# Allegro board 038RT-9068CJK8E-A100_0921.brd (continued)
## Placement (name value [footprint] x y rotation side) (continued)
LDB1  LDG-2-S8  [LED_0805]  347.46 18.6 0 top
LDB2  LDG-2-S8  [LED_0805]  339.44 18.61 0 top
LDB3  LDG-2-S8  [LED_0805]  647.33 23.22 0 top
LDB4  LDG-2-S8  [LED_0805]  338.95 30.07 0 top
LDB5  LDG-2-S8  [LED_0805]  338.95 39.37 0 top
LDB6  LDG-2-S8  [LED_0805]  339.58 48.9 180 top
LDOB2  1117-1A-18-SOT223  [SOT223]  53.2 407.03 0 top
LH11  L2.2U-1.15A-S2.0X1.6-TDK  [IND_VL252012E]  211.24 36.83 0 bottom
LH21  L2.2U-1.15A-S2.0X1.6-TDK  [IND_VL252012E]  273.25 36.83 0 bottom
LOGO1  LOGO_RT_Realtek  [LOGO_RT_REALTEK]  337.68 393.7 0 top
LOGO2  -  [LOGO_KT_KSMT]  132.17 95.13 0 top
LRB1  330-1-S6  [R0603]  350.1 17.75 90 top
LRB2  330-1-S6  [R0603]  342.08 17.75 90 top
LRB3  1K-1-S6  [R0603]  646.4 20.96 180 top
LRB4  2K-1-S6  [R0603]  341.61 29.13 270 top
LRB5  1.5K-1-S6  [R0603]  341.62 38.55 270 top
LRB6  1.5K-1-S6  [R0603]  337.04 48.26 270 top
LX1  L1U-3.3A-S2.5X2-TY  [IND_VL252012E]  119.59 37.11 90 top
MOS1  CSD19537Q3-VSON8  [TRANS_VSON8_3P3X3P3_0P65MM]  20.96 387.86 180 top
MQS1  MQS-9X2-MR  [CONN_19635391_18P_90]  6.8 105.03 270 bottom
MUX1  MUX36D04IRUMR-WQFN16  [WQFN4X4_16P_0P65MM_EP_TI]  338.65 275.66 270 bottom
MUX2  MUX36D04IRUMR-WQFN16  [WQFN4X4_16P_0P65MM_EP_TI]  326.89 195.65 270 bottom
MUX3  MUX36D04IRUMR-WQFN16  [WQFN4X4_16P_0P65MM_EP_TI]  327.27 275.66 270 bottom
MUX4  MUX36D04IRUMR-WQFN16  [WQFN4X4_16P_0P65MM_EP_TI]  327.22 241.37 270 bottom
MUX5  MUX36D04IRUMR-WQFN16  [WQFN4X4_16P_0P65MM_EP_TI]  326.89 207.08 270 bottom
MUX6  MUX36D04IRUMR-WQFN16  [WQFN4X4_16P_0P65MM_EP_TI]  338.65 207.08 270 bottom
MUX7  MUX36D04IRUMR-WQFN16  [WQFN4X4_16P_0P65MM_EP_TI]  338.65 241.37 270 bottom
MUX8  MUX36D04IRUMR-WQFN16  [WQFN4X4_16P_0P65MM_EP_TI]  327.22 252.8 270 bottom
MUX9  MUX36D04IRUMR-WQFN16  [WQFN4X4_16P_0P65MM_EP_TI]  338.65 195.65 270 bottom
MUX10  MUX36D04IRUMR-WQFN16  [WQFN4X4_16P_0P65MM_EP_TI]  338.65 252.8 270 bottom
MUX11  MUX36D04IRUMR-WQFN16  [WQFN4X4_16P_0P65MM_EP_TI]  327.22 264.23 270 bottom
MUX12  MUX36D04IRUMR-WQFN16  [WQFN4X4_16P_0P65MM_EP_TI]  338.65 264.23 270 bottom
MUX13  MUX36D04IRUMR-WQFN16  [WQFN4X4_16P_0P65MM_EP_TI]  338.65 229.94 270 bottom
MUX14  MUX36D04IRUMR-WQFN16  [WQFN4X4_16P_0P65MM_EP_TI]  338.65 218.51 270 bottom
MUX15  MUX36D04IRUMR-WQFN16  [WQFN4X4_16P_0P65MM_EP_TI]  326.89 218.51 270 bottom
MUX16  MUX36D04IRUMR-WQFN16  [WQFN4X4_16P_0P65MM_EP_TI]  326.89 229.94 270 bottom
NOREF  -  []  285.27 283.88 0 top
NOREF#2  -  []  89.77 263.43 90 top
NOREF#3  -  []  347.95 27.05 90 top
NOREF#4  -  []  286.9 260.59 90 top
NOREF#5  -  []  609.98 275.17 0 top
NOREF#6  -  []  601.61 201.81 0 top
NOREF#7  -  []  595.17 269.03 90 top
NOREF#8  -  []  34.34 277.77 90 top
NOREF#9  -  []  373.74 23.16 90 top
NOREF#10  -  []  337.67 205.1 0 top
NOREF#11  -  []  603.6 202.2 90 top
NOREF#12  -  []  57.44 377.37 0 top
NOREF#13  -  []  600.37 265.42 0 top
NOREF#14  -  []  290.07 269.42 0 top
NOREF#15  -  []  284.11 205.03 0 top
NOREF#16  -  []  278.87 209.42 0 top
NOREF#17  -  []  57.84 276.06 0 top
NOREF#18  -  []  514.56 28.57 90 top
NOREF#19  -  []  410.47 260.2 90 top
NOREF#20  -  []  230 210.11 0 top
NOREF#21  -  []  416.49 39.2 90 top
NOREF#22  -  []  593.59 209.81 0 top
NOREF#23  -  []  606.33 181.7 0 top
NOREF#24  -  []  282.91 279.15 90 top
NOREF#25  -  []  280.89 259.43 0 top
NOREF#26  -  []  617.08 309.63 90 top
NOREF#27  -  []  85.47 289.46 90 top
NOREF#28  -  []  572.1 204.29 90 top
NOREF#29  -  []  285.82 223.21 90 top
NOREF#30  -  []  404.47 205.42 0 top
NOREF#31  -  []  405.67 258.65 90 top
NOREF#32  -  []  622.83 225.14 0 top
NOREF#33  -  []  514.03 228.77 90 top
NOREF#34  -  []  52.64 371.17 90 top
NOREF#35  -  []  82.91 137.16 90 top
NOREF#36  -  []  360.57 213.99 90 top
NOREF#37  -  []  529.06 46.5 0 top
NOREF#38  -  []  436.51 218.61 0 top
NOREF#39  -  []  326.24 250.82 0 top
NOREF#40  -  []  402.47 211.43 90 top
NOREF#41  -  []  422.18 96.61 90 top
NOREF#42  -  []  52.64 368.97 90 top
NOREF#43  -  []  400.07 269.03 90 top
NOREF#44  -  []  125.08 312.42 90 top
NOREF#45  -  []  610.95 239.12 90 top
NOREF#46  -  []  219.2 193.04 90 top
NOREF#47  -  []  284.07 269.85 90 top
NOREF#48  -  []  282.97 192.32 90 top
NOREF#49  -  []  77.64 257.69 90 top
NOREF#50  -  []  86.97 267.82 0 top
NOREF#51  -  []  602.39 201.83 0 top
NOREF#52  -  []  288.89 206.65 90 top
NOREF#53  -  []  599.21 204.21 0 top
NOREF#54  -  []  72.6 241.02 90 top
NOREF#55  -  []  59.69 386.09 90 top
NOREF#56  -  []  278.91 36.71 90 top
NOREF#57  -  []  599.99 199.43 0 top
NOREF#58  -  []  514.03 222.56 90 top
NOREF#59  -  []  407.29 207.41 0 top
NOREF#60  -  []  286.47 208.25 90 top
NOREF#61  -  []  405.3 206.22 90 top
NOREF#62  -  []  98.59 269.05 90 top
NOREF#63  -  []  237.23 271.69 0 top
NOREF#64  -  []  591.63 246.67 90 top
NOREF#65  -  []  317 425.56 0 top
NOREF#66  -  []  99.37 208.23 90 top
NOREF#67  -  []  75.12 325.6 0 top
NOREF#68  -  []  598.39 206.63 90 top
NOREF#69  -  []  288.47 268.62 0 top
NOREF#70  -  []  91.8 208.6 90 top
NOREF#71  -  []  437.4 278.28 90 top
NOREF#72  -  []  516.16 57.23 90 top
NOREF#73  -  []  76.66 262.82 0 top
NOREF#74  -  []  603.17 201.05 90 top
NOREF#75  -  []  279.31 207.43 0 top
NOREF#76  -  []  341.24 17.61 90 top
NOREF#77  -  []  623.88 284.89 0 top
NOREF#78  -  []  92.99 207.43 90 top
NOREF#79  -  []  410.07 208.62 0 top
NOREF#80  -  []  283.67 263.02 0 top
NOREF#81  -  []  108.43 256.21 90 top
NOREF#82  -  []  27.16 65.41 0 top
NOREF#83  -  []  191.97 260.48 90 top
NOREF#84  -  []  290.87 267.82 0 top
NOREF#85  -  []  413.67 210.63 90 top
NOREF#86  -  []  125.08 448.42 90 top
NOREF#87  -  []  95.63 229.46 90 top
NOREF#88  -  []  604.4 212.59 90 top
NOREF#89  -  []  549.02 439.84 90 top
NOREF#90  -  []  406.49 271.43 90 top
NOREF#91  -  []  288.89 212.23 0 top
NOREF#92  -  []  85.37 198.22 0 top
NOREF#93  -  []  267.26 416.84 0 top
NOREF#94  -  []  89.26 160.02 90 top
NOREF#95  -  []  79.87 127.64 90 top
NOREF#96  -  []  167.54 25.78 90 top
NOREF#97  -  []  100.97 205.83 90 top
NOREF#98  -  []  337.54 31.92 90 top
NOREF#99  -  []  282.49 270.63 0 top
NOREF#100  -  []  132.95 53.82 90 top
NOREF#101  -  []  335.29 437.44 90 top
NOREF#102  -  []  406.9 269.39 90 top
NOREF#103  -  []  410.07 268.62 0 top
NOREF#104  -  []  221.05 431.62 0 top
NOREF#105  -  []  617.08 127 90 top
NOREF#106  -  []  398.1 199.02 90 top
NOREF#107  -  []  404.91 269.81 0 top
NOREF#108  -  []  330.67 443.13 90 top
NOREF#109  -  []  559.57 424.45 90 top
NOREF#110  -  []  86.59 269.81 0 top
NOREF#111  -  []  578.34 153.42 90 top
NOREF#112  -  []  292.87 202.65 90 top
NOREF#113  -  []  580.85 223.37 0 top
NOREF#114  -  []  182.72 265.29 0 top
NOREF#115  -  []  88.21 203.43 0 top
NOREF#116  -  []  468.93 42.73 90 top
NOREF#117  -  []  222.65 436.44 0 top
NOREF#118  -  []  93.01 264.21 0 top
NOREF#119  -  []  521.24 41.35 90 top
NOREF#120  -  []  96.19 206.65 90 top
NOREF#121  -  []  279.17 223.88 0 top
NOREF#122  -  []  308.62 27.31 90 top
NOREF#123  -  []  464.71 33.83 90 top
NOREF#124  -  []  364.85 23.16 0 top
NOREF#125  -  []  250.33 213.29 90 top
NOREF#126  -  []  93.33 333.38 90 top
NOREF#127  -  []  96.19 267.45 90 top
NOREF#128  -  []  601.2 262.2 90 top
NOREF#129  -  []  598.2 181.7 90 top
NOREF#130  -  []  516.16 60.43 0 top
NOREF#131  -  []  602.39 209.01 0 top
NOREF#132  -  []  287.67 267.82 0 top
NOREF#133  -  []  596.77 205.85 90 top
NOREF#134  -  []  673.94 53.59 0 top
NOREF#135  -  []  280.89 264.23 90 top
NOREF#136  -  []  52.64 163.53 90 top
NOREF#137  -  []  593.61 200.23 0 top
NOREF#138  -  []  167.54 48.9 90 top
NOREF#139  -  []  99.68 312.42 90 top
NOREF#140  -  []  405.3 199.79 90 top
NOREF#141  -  []  609.08 274.92 0 top
NOREF#142  -  []  417.46 202.29 90 top
NOREF#143  -  []  644.7 24.22 0 top
NOREF#144  -  []  578.21 309.88 0 top
NOREF#145  -  []  20.34 263.52 90 top
NOREF#146  -  []  92.07 290.41 90 top
NOREF#147  -  []  392.35 179.12 90 top
NOREF#148  -  []  75.12 346.56 0 top
NOREF#149  -  []  94.59 268.23 0 top
NOREF#150  -  []  508.45 448.21 0 top
NOREF#151  -  []  609.98 210.47 0 top
NOREF#152  -  []  224.48 37.13 90 top
NOREF#153  -  []  519.43 219.56 0 top
NOREF#154  -  []  54.63 341.64 0 top
NOREF#155  -  []  364.78 272.24 0 top
NOREF#156  -  []  -11.44 79.94 0 top
NOREF#157  -  []  356.63 444.8 0 top
NOREF#158  -  []  287.31 213.01 0 top
NOREF#159  -  []  288.91 201.81 0 top
NOREF#160  -  []  403.29 265.81 0 top
NOREF#161  -  []  7.76 19.94 90 top
NOREF#162  -  []  92.19 268.23 0 top
NOREF#163  -  []  544.43 55.75 0 top
NOREF#164  -  []  357.78 271.24 0 top
NOREF#165  -  []  289.67 268.25 90 top
NOREF#166  -  []  531.98 198.09 0 top
NOREF#167  -  []  610.09 134.37 0 top
NOREF#168  -  []  277.71 212.23 0 top
NOREF#169  -  []  305.55 426.36 0 top
NOREF#170  -  []  334.02 27.31 90 top
NOREF#171  -  []  435.82 39.72 0 top
NOREF#172  -  []  154.09 453.95 90 top
NOREF#173  -  []  195.9 227.37 90 top
NOREF#174  -  []  202.33 260.48 0 top
NOREF#175  -  []  441.21 226.41 90 top
NOREF#176  -  []  283.29 267.41 0 top
NOREF#177  -  []  237.23 264.07 0 top
NOREF#178  -  []  406.47 202.63 90 top
NOREF#179  -  []  503.67 219.56 0 top
NOREF#180  -  []  280.55 220.05 0 top
NOREF#181  -  []  287.29 209.03 90 top
NOREF#182  -  []  100.17 267.43 90 top
NOREF#183  -  []  439.11 220.64 0 top
NOREF#184  -  []  599.99 204.23 0 top
NOREF#185  -  []  342.05 216.51 90 top
NOREF#186  -  []  361.79 284.66 90 top
NOREF#187  -  []  75.12 343.36 90 top
NOREF#188  -  []  195.9 221.16 90 top
NOREF#189  -  []  253.61 213.31 0 top
NOREF#190  -  []  100.97 204.23 90 top
NOREF#191  -  []  302.24 207.47 90 top
NOREF#192  -  []  276.31 283.23 90 top
NOREF#193  -  []  105.38 262.96 90 top
NOREF#194  -  []  602.39 272.23 90 top
NOREF#195  -  []  105.79 229.46 90 top
NOREF#196  -  []  657.72 147.95 0 top
NOREF#197  -  []  284.89 263.41 0 top
NOREF#198  -  []  669.23 157.52 0 top
NOREF#199  -  []  436.2 225.03 0 top
NOREF#200  -  []  514.03 269.89 0 top
NOREF#201  -  []  595.58 252.47 90 top
NOREF#202  -  []  89.77 270.63 90 top
NOREF#203  -  []  85.37 269.42 0 top
NOREF#204  -  []  34.34 258.72 90 top
NOREF#205  -  []  291.27 210.63 90 top
NOREF#206  -  []  88.19 269.83 90 top
NOREF#207  -  []  634.88 196.03 90 top
NOREF#208  -  []  86.85 289.44 90 top
NOREF#209  -  []  156.1 287.41 0 top
NOREF#210  -  []  90.61 268.21 0 top
NOREF#211  -  []  83.59 255.14 90 top
NOREF#212  -  []  250.03 273.53 90 top
NOREF#213  -  []  482.51 228.77 90 top
NOREF#214  -  []  284.94 282.96 90 top
NOREF#215  -  []  92.57 330.58 90 top
NOREF#216  -  []  407.67 204.62 0 top
NOREF#217  -  []  96.99 265.03 90 top
NOREF#218  -  []  280.88 279.15 90 top
NOREF#219  -  []  628.51 201.62 0 top
NOREF#220  -  []  604.3 181.7 90 top
NOREF#221  -  []  14.75 29.62 0 top
NOREF#222  -  []  272.13 203.55 90 top
NOREF#223  -  []  287.31 264.21 0 top
NOREF#224  -  []  673.94 28.83 90 top
NOREF#225  -  []  19.26 389.56 0 top
NOREF#226  -  []  251.83 28.72 0 top
NOREF#227  -  []  287.29 207.41 0 top
NOREF#228  -  []  76.56 137.16 90 top
NOREF#229  -  []  286.26 429.34 90 top
NOREF#230  -  []  625.03 325.6 0 top
NOREF#231  -  []  92.99 199.45 90 top
NOREF#232  -  []  588.69 181.71 90 top
NOREF#233  -  []  670.26 294.33 0 top
NOREF#234  -  []  404.47 206.22 0 top
NOREF#235  -  []  408.47 211.82 0 top
NOREF#236  -  []  370.03 273.53 90 top
NOREF#237  -  []  285.3 290.22 0 top
NOREF#238  -  []  245.33 205.92 0 top
NOREF#239  -  []  96.57 269.42 0 top
NOREF#240  -  []  513.8 44.7 0 top
NOREF#241  -  []  96.99 212.21 0 top
NOREF#242  -  []  410.07 210.22 0 top
NOREF#243  -  []  43.47 467.46 90 top
NOREF#244  -  []  288.89 272.23 90 top
NOREF#245  -  []  602.77 208.62 0 top
NOREF#246  -  []  604.11 181.06 90 top
NOREF#247  -  []  429.66 436.45 0 top
NOREF#248  -  []  274.78 219.15 90 top
NOREF#249  -  []  324.89 209.08 0 top
NOREF#250  -  []  624.19 312.42 90 top
NOREF#251  -  []  603.99 207.41 0 top
NOREF#252  -  []  383.03 416.84 0 top
NOREF#253  -  []  512.11 434.42 0 top
NOREF#254  -  []  89.79 265.81 0 top
NOREF#255  -  []  437.41 225.76 90 top
NOREF#256  -  []  94.17 346.56 0 top
NOREF#257  -  []  682.28 16.9 90 top
NOREF#258  -  []  603.46 181.05 90 top
NOREF#259  -  []  101.9 230.09 0 top
NOREF#260  -  []  398.49 209.81 0 top
NOREF#261  -  []  170.81 272.9 0 top
NOREF#262  -  []  674.38 228.33 0 top
NOREF#263  -  []  408.87 259.45 90 top
NOREF#264  -  []  588.04 182.9 0 top
NOREF#265  -  []  96.17 266.63 90 top
NOREF#266  -  []  407.29 263.43 90 top
NOREF#267  -  []  23.7 369.99 0 top
NOREF#268  -  []  396.95 48.93 0 top
NOREF#269  -  []  599.6 262.99 90 top
NOREF#270  -  []  247.28 273.53 0 top
NOREF#271  -  []  597.2 208.6 90 top
NOREF#272  -  []  193.62 259.08 90 top
NOREF#273  -  []  151.71 286.01 0 top
NOREF#274  -  []  399.7 206.2 90 top
NOREF#275  -  []  430.77 50.36 0 top
NOREF#276  -  []  90.59 270.63 0 top
NOREF#277  -  []  579.95 288.22 90 top
NOREF#278  -  []  286.1 203 90 top
NOREF#279  -  []  340.65 205.08 90 top
NOREF#280  -  []  88.57 263.02 0 top
NOREF#281  -  []  594.77 206.22 0 top
NOREF#282  -  []  599.21 267.41 0 top
NOREF#283  -  []  604.79 204.23 0 top
NOREF#284  -  []  664.7 14.6 0 top
NOREF#285  -  []  370.33 273.28 90 top
NOREF#286  -  []  627.75 279.51 90 top
NOREF#287  -  []  669.23 63.54 0 top
NOREF#288  -  []  562.97 160.02 90 top
NOREF#289  -  []  281.3 199.8 90 top
NOREF#290  -  []  246.53 265.91 0 top
NOREF#291  -  []  410.51 273.01 0 top
NOREF#292  -  []  592.79 209.85 90 top
NOREF#293  -  []  92.21 264.21 0 top
NOREF#294  -  []  282.91 284.18 90 top
NOREF#295  -  []  556.37 424.45 0 top
NOREF#296  -  []  503.64 28.83 0 top
NOREF#297  -  []  290.47 260.2 90 top
NOREF#298  -  []  167.92 443.92 0 top
NOREF#299  -  []  521.24 44.55 0 top
NOREF#300  -  []  559.93 159.77 90 top
NOREF#301  -  []  588.04 181.7 90 top
NOREF#302  -  []  432.77 417.96 90 top
NOREF#303  -  []  90.36 290.11 0 top
NOREF#304  -  []  631.5 147.72 90 top
NOREF#305  -  []  290.47 200.25 90 top
NOREF#306  -  []  62.77 247.9 0 top
NOREF#307  -  []  105.96 216.86 0 top
NOREF#308  -  []  218.5 444.45 0 top
NOREF#309  -  []  404.87 266.63 90 top
NOREF#310  -  []  592.37 209.42 0 top
NOREF#311  -  []  405.67 268.25 90 top
NOREF#312  -  []  534.18 191.74 0 top
NOREF#313  -  []  232.75 326.54 90 top
NOREF#314  -  []  379.01 273.31 0 top
NOREF#315  -  []  580.95 197.23 90 top
NOREF#316  -  []  400.89 212.21 0 top
NOREF#317  -  []  407.29 260.23 0 top
NOREF#318  -  []  460.69 432.22 90 top
NOREF#319  -  []  747.89 321.32 0 top
NOREF#320  -  []  60.63 187.41 90 top
NOREF#321  -  []  97.37 267.82 0 top
NOREF#322  -  []  264.28 416.31 90 top
NOREF#323  -  []  75.45 249.07 0 top
NOREF#324  -  []  85.4 259.02 90 top
NOREF#325  -  []  75.42 314.58 0 top
NOREF#326  -  []  289.69 270.61 0 top
NOREF#327  -  []  144.31 427.5 0 top
NOREF#328  -  []  623.88 224.89 90 top
NOREF#329  -  []  401.1 40.93 0 top
NOREF#330  -  []  567.67 321.94 90 top
NOREF#331  -  []  399.31 207.41 0 top
NOREF#332  -  []  598.8 203 90 top
NOREF#333  -  []  353.03 34.29 90 top
NOREF#334  -  []  259.3 244.22 0 top
NOREF#335  -  []  615.17 209.12 90 top
NOREF#336  -  []  88.21 263.43 0 top
NOREF#337  -  []  494.24 35.81 90 top
NOREF#338  -  []  88.88 229.44 90 top
NOREF#339  -  []  531.8 141.72 90 top
NOREF#340  -  []  91.8 309.88 0 top
NOREF#341  -  []  297.52 190.01 90 top
NOREF#342  -  []  613.77 140.59 0 top
NOREF#343  -  []  451.34 423.14 0 top
NOREF#344  -  []  356.3 433.78 90 top
NOREF#345  -  []  61.94 209.82 90 top
NOREF#346  -  []  645.9 384.61 90 top
NOREF#347  -  []  94.98 229.44 90 top
NOREF#348  -  []  616.31 331.47 0 top
NOREF#349  -  []  115.1 208.15 90 top
NOREF#350  -  []  198.48 259.08 0 top
NOREF#351  -  []  15.63 421.73 90 top
NOREF#352  -  []  117.51 434.2 0 top
NOREF#353  -  []  49.84 409.07 0 top
NOREF#354  -  []  163.91 434.8 0 top
NOREF#355  -  []  604.79 264.21 0 top
NOREF#356  -  []  355.4 263 90 top
NOREF#357  -  []  52.31 275.01 90 top
NOREF#358  -  []  337.78 47.9 90 top
NOREF#359  -  []  18.92 446.05 90 top
NOREF#360  -  []  86.17 211.82 0 top
NOREF#361  -  []  326.89 250.82 0 top
NOREF#362  -  []  14.11 53.59 90 top
NOREF#363  -  []  276.52 48.93 0 top
NOREF#364  -  []  600.81 263.43 0 top
NOREF#365  -  []  406.1 208.6 90 top
NOREF#366  -  []  593.97 209.42 0 top
NOREF#367  -  []  172.62 48.9 90 top
NOREF#368  -  []  103.68 208.13 0 top
NOREF#369  -  []  51.24 144.76 90 top
NOREF#370  -  []  527.31 51.35 90 top
NOREF#371  -  []  27.76 481.59 90 top
NOREF#372  -  []  601.2 202.2 90 top
NOREF#373  -  []  85.58 131.19 90 top
NOREF#374  -  []  277.14 223.88 0 top
NOREF#375  -  []  324.92 229.61 90 top
NOREF#376  -  []  98.59 212.23 90 top
NOREF#377  -  []  410.87 267.82 0 top
NOREF#378  -  []  98.17 202.22 0 top
NOREF#379  -  []  96.19 265.05 90 top
NOREF#380  -  []  90.59 265.05 90 top
NOREF#381  -  []  34.34 226.97 90 top
NOREF#382  -  []  259.01 273.31 0 top
NOREF#383  -  []  88.19 265.05 90 top
NOREF#384  -  []  288.7 286.19 0 top
NOREF#385  -  []  129.93 47.77 90 top
NOREF#386  -  []  280.06 42.53 0 top
NOREF#387  -  []  7.76 19.94 90 top
NOREF#388  -  []  272.02 436.97 90 top
NOREF#389  -  []  576.06 195.54 90 top
NOREF#390  -  []  283.79 219.4 90 top
NOREF#391  -  []  598.37 209.03 90 top
NOREF#392  -  []  600.23 181.7 90 top
NOREF#393  -  []  200.13 260.48 0 top
NOREF#394  -  []  346.15 208.71 0 top
NOREF#395  -  []  398.41 439.19 0 top
NOREF#396  -  []  498.27 260.48 90 top
NOREF#397  -  []  97.18 218.77 0 top
NOREF#398  -  []  462.44 436.44 0 top
NOREF#399  -  []  345.5 415.37 90 top
NOREF#400  -  []  287.31 267.43 0 top
NOREF#401  -  []  459.89 43.68 0 top
NOREF#402  -  []  20.42 426.97 90 top
NOREF#403  -  []  374.21 49.56 90 top
NOREF#404  -  []  91 200.6 90 top
NOREF#405  -  []  329.32 432.44 90 top
NOREF#406  -  []  162.2 443.92 0 top
NOREF#407  -  []  591.57 265.42 0 top
NOREF#408  -  []  403.7 209.4 90 top
NOREF#409  -  []  514.56 51.69 90 top
NOREF#410  -  []  595.21 200.23 0 top
NOREF#411  -  []  285.3 268.6 90 top
NOREF#412  -  []  285.11 253.92 0 top
NOREF#413  -  []  221.86 39.73 90 top
NOREF#414  -  []  -6.02 484.33 0 top
NOREF#415  -  []  408.5 261.39 90 top
NOREF#416  -  []  293.17 281.66 0 top
NOREF#417  -  []  85.45 330.83 0 top
NOREF#418  -  []  190.3 177.22 0 top
NOREF#419  -  []  18.92 423.82 90 top
NOREF#420  -  []  205.25 416.84 0 top
NOREF#421  -  []  441.2 144.61 0 top
NOREF#422  -  []  85.45 309.88 0 top
NOREF#423  -  []  150.53 425.85 90 top
NOREF#424  -  []  63.07 188.15 0 top
NOREF#425  -  []  403.7 199.8 90 top
NOREF#426  -  []  284.94 222.96 90 top
NOREF#427  -  []  157.25 272.9 0 top
NOREF#428  -  []  409.71 269.03 0 top
NOREF#429  -  []  97.4 211.8 90 top
NOREF#430  -  []  131.43 322.58 90 top
NOREF#431  -  []  245.33 273.53 0 top
NOREF#432  -  []  406.49 199.43 0 top
NOREF#433  -  []  90.04 290.41 90 top
NOREF#434  -  []  606.37 263.43 90 top
NOREF#435  -  []  86.97 271.02 0 top
NOREF#436  -  []  575.67 164.08 0 top
NOREF#437  -  []  601.61 261.81 0 top
NOREF#438  -  []  634.88 260.67 90 top
NOREF#439  -  []  325.92 205.1 0 top
NOREF#440  -  []  405.59 278.14 0 top
NOREF#441  -  []  400.89 261.03 90 top
NOREF#442  -  []  510.41 424.48 90 top
NOREF#443  -  []  285.69 259.43 0 top
NOREF#444  -  []  90.2 204.6 90 top
NOREF#445  -  []  593.61 199.41 0 top
NOREF#446  -  []  407.29 273.01 0 top
NOREF#447  -  []  87.39 271.45 90 top
NOREF#448  -  []  195.82 21.92 0 top
NOREF#449  -  []  92.57 316.87 90 top
NOREF#450  -  []  359.73 203.62 0 top
NOREF#451  -  []  598.87 46.82 0 top
NOREF#452  -  []  282.4 279.42 90 top
NOREF#453  -  []  408.89 212.23 90 top
NOREF#454  -  []  3.86 425.43 90 top
NOREF#455  -  []  682.83 63.75 90 top
NOREF#456  -  []  435.3 222.67 0 top
NOREF#457  -  []  283.43 428.64 90 top
NOREF#458  -  []  345.83 426.39 90 top
NOREF#459  -  []  593.28 322.4 90 top
NOREF#460  -  []  96.19 265.85 90 top
NOREF#461  -  []  336.65 266.23 0 top
NOREF#462  -  []  645.9 401.21 0 top
NOREF#463  -  []  600.23 242.9 0 top
NOREF#464  -  []  319.44 46.35 90 top
NOREF#465  -  []  595.99 205.81 0 top
NOREF#466  -  []  520.41 47.24 90 top
NOREF#467  -  []  104.63 157.86 0 top
NOREF#468  -  []  282.9 260.59 90 top
NOREF#469  -  []  491.67 436.45 90 top
NOREF#470  -  []  399.08 43.68 0 top
NOREF#471  -  []  408.87 268.25 90 top
NOREF#472  -  []  93.57 254.24 90 top
NOREF#473  -  []  94.1 290.41 90 top
NOREF#474  -  []  435.3 278.61 0 top
NOREF#475  -  []  355.4 203 90 top
NOREF#476  -  []  246.3 213.11 90 top
NOREF#477  -  []  285.11 254.75 0 top
NOREF#478  -  []  91.41 200.23 0 top
NOREF#479  -  []  259.3 225.22 0 top
NOREF#480  -  []  284.91 272.21 0 top
NOREF#481  -  []  592.81 202.63 0 top
NOREF#482  -  []  94.61 267.43 0 top
NOREF#483  -  []  549.93 271.5 90 top
NOREF#484  -  []  336.67 217.53 90 top
NOREF#485  -  []  491.24 144.61 0 top
NOREF#486  -  []  333.69 433.78 90 top
NOREF#487  -  []  60.63 252.62 90 top
NOREF#488  -  []  283.24 280.07 0 top
NOREF#489  -  []  413.17 221.66 0 top
NOREF#490  -  []  207.25 418.84 0 top
NOREF#491  -  []  98.59 269.85 90 top
NOREF#492  -  []  164.3 154.22 90 top
NOREF#493  -  []  92.97 199.45 90 top
NOREF#494  -  []  647.13 79.81 0 top
NOREF#495  -  []  292.09 212.23 90 top
NOREF#496  -  []  94.47 310.77 90 top
NOREF#497  -  []  34.34 369.99 90 top
NOREF#498  -  []  88.21 202.63 0 top
NOREF#499  -  []  407.29 208.21 0 top
NOREF#500  -  []  257.73 53.56 90 top
NOREF#501  -  []  93.81 200.23 0 top
NOREF#502  -  []  115.62 219.58 90 top
NOREF#503  -  []  287.27 258.65 90 top
NOREF#504  -  []  408.09 269.03 0 top
NOREF#505  -  []  594.39 205.05 90 top
NOREF#506  -  []  73.52 330.58 90 top
NOREF#507  -  []  86.17 212.62 0 top
NOREF#508  -  []  85.81 211.43 0 top
NOREF#509  -  []  407.31 204.21 0 top
NOREF#510  -  []  98.59 208.21 0 top
NOREF#511  -  []  402.47 198.65 90 top
NOREF#512  -  []  284.87 209.85 90 top
NOREF#513  -  []  416.18 378.54 0 top
NOREF#514  -  []  280.79 144.61 0 top
NOREF#515  -  []  623.88 224.89 0 top
NOREF#516  -  []  206.81 216.36 0 top
NOREF#517  -  []  399.31 267.43 0 top
NOREF#518  -  []  97.79 206.61 0 top
NOREF#519  -  []  7.76 146.3 90 top
NOREF#520  -  []  628.51 196.98 90 top
NOREF#521  -  []  285.3 199.79 90 top
NOREF#522  -  []  325.27 278.36 0 top
NOREF#523  -  []  161.06 32 90 top
NOREF#524  -  []  89.01 266.63 0 top
NOREF#525  -  []  407.27 258.65 90 top
NOREF#526  -  []  578.77 216.23 90 top
NOREF#527  -  []  288.87 266.63 90 top
NOREF#528  -  []  592.43 242.01 90 top
NOREF#529  -  []  282.26 33.83 90 top
NOREF#530  -  []  365.33 273.53 0 top
NOREF#531  -  []  670.26 294.33 0 top
NOREF#532  -  []  399.7 202.2 90 top
NOREF#533  -  []  328.89 227.94 90 top
NOREF#534  -  []  61.94 214.46 90 top
NOREF#535  -  []  283.29 201.03 90 top
NOREF#536  -  []  599.93 314.58 0 top
NOREF#537  -  []  275.66 283.21 90 top
NOREF#538  -  []  28.42 -94.82 90 top
NOREF#539  -  []  586.66 181.71 90 top
NOREF#540  -  []  511.08 41.35 90 top
NOREF#541  -  []  52.31 270.37 90 top
NOREF#542  -  []  596.4 203 90 top
NOREF#543  -  []  595.99 203.41 0 top
NOREF#544  -  []  221.05 431.62 90 top
NOREF#545  -  []  89.77 261.83 90 top
NOREF#546  -  []  600.4 207 90 top
NOREF#547  -  []  247.28 213.54 0 top
NOREF#548  -  []  85.4 204.6 90 top
NOREF#549  -  []  539.03 203.04 90 top
NOREF#550  -  []  487.91 276.1 0 top
NOREF#551  -  []  536 246.22 90 top
NOREF#552  -  []  592.43 182.01 90 top
NOREF#553  -  []  96.46 230.11 0 top
NOREF#554  -  []  25.93 473.4 0 top
NOREF#555  -  []  370.33 265.66 90 top
NOREF#556  -  []  401.71 265.01 0 top
NOREF#557  -  []  90.91 229.44 90 top
NOREF#558  -  []  420.43 41.32 90 top
NOREF#559  -  []  90.57 209.85 90 top
NOREF#560  -  []  243.3 286.22 0 top
NOREF#561  -  []  245.33 213.54 0 top
NOREF#562  -  []  600.88 182.91 0 top
NOREF#563  -  []  144.77 444.95 0 top
NOREF#564  -  []  26.49 485.4 0 top
NOREF#565  -  []  341.01 437.44 90 top
NOREF#566  -  []  371.74 442.9 90 top
NOREF#567  -  []  116.37 150.04 90 top
NOREF#568  -  []  560.69 321.94 90 top
NOREF#569  -  []  609.98 215.17 0 top
NOREF#570  -  []  188.85 222.56 0 top
NOREF#571  -  []  20.42 449.2 90 top
NOREF#572  -  []  274.78 222.96 90 top
NOREF#573  -  []  79.87 150.5 90 top
NOREF#574  -  []  609.08 268.62 90 top
NOREF#575  -  []  649.13 22.22 90 top
NOREF#576  -  []  407.9 194.36 90 top
NOREF#577  -  []  91.37 269.85 90 top
NOREF#578  -  []  90.44 34.54 90 top
NOREF#579  -  []  591.57 266.22 0 top
NOREF#580  -  []  95.77 203.02 0 top
NOREF#581  -  []  392.35 179.12 90 top
NOREF#582  -  []  588.69 241.71 90 top
NOREF#583  -  []  246.23 273.28 0 top
NOREF#584  -  []  504.07 416.31 90 top
NOREF#585  -  []  156.88 436.75 0 top
NOREF#586  -  []  340.65 193.65 90 top
NOREF#587  -  []  247.06 452.84 0 top
NOREF#588  -  []  40.87 393.84 90 top
NOREF#589  -  []  -13.71 220.6 90 top
NOREF#590  -  []  336.65 277.66 0 top
NOREF#591  -  []  436.51 282.67 0 top
NOREF#592  -  []  633.45 339.97 0 top
NOREF#593  -  []  598.02 181.06 90 top
NOREF#594  -  []  95.8 204.59 90 top
NOREF#595  -  []  15.31 49.04 90 top
NOREF#596  -  []  409.69 269.01 0 top
NOREF#597  -  []  297.46 202.29 90 top
NOREF#598  -  []  91.62 279.97 90 top
NOREF#599  -  []  536 246.22 90 top
NOREF#600  -  []  514.56 44.45 90 top
NOREF#601  -  []  57.91 214.63 90 top
NOREF#602  -  []  598.53 240.8 90 top
NOREF#603  -  []  399.31 261.81 0 top
NOREF#604  -  []  437.41 283.73 90 top
NOREF#605  -  []  569.32 42.97 90 top
NOREF#606  -  []  222.96 281.46 90 top
NOREF#607  -  []  309.28 211.63 90 top
NOREF#608  -  []  89.01 205.83 0 top
NOREF#609  -  []  93.4 262.99 90 top
NOREF#610  -  []  604.95 181.71 90 top
NOREF#611  -  []  110.02 150.04 90 top
NOREF#612  -  []  366.23 273.28 0 top
NOREF#613  -  []  97.01 210.63 0 top
NOREF#614  -  []  107.17 314.58 0 top
NOREF#615  -  []  318.33 332.54 90 top
NOREF#616  -  []  531.98 191.74 0 top
NOREF#617  -  []  404.07 201.05 90 top
NOREF#618  -  []  336.67 240.39 90 top
NOREF#619  -  []  405.11 193.92 0 top
NOREF#620  -  []  234.8 59.33 315 top
NOREF#621  -  []  95.97 218.38 0 top
NOREF#622  -  []  289.71 268.23 0 top
NOREF#623  -  []  309.38 30.1 90 top
NOREF#624  -  []  403.29 260.23 0 top
NOREF#625  -  []  127.36 149.86 90 top
NOREF#626  -  []  599.21 199.41 0 top
NOREF#627  -  []  162.2 443.92 90 top
NOREF#628  -  []  3.19 176.66 90 top
NOREF#629  -  []  124.32 319.79 90 top
NOREF#630  -  []  402.03 429.34 90 top
NOREF#631  -  []  240.57 266.37 90 top
NOREF#632  -  []  604.79 261.01 0 top
NOREF#633  -  []  288.89 212.23 90 top
NOREF#634  -  []  413.69 201.05 90 top
NOREF#635  -  []  274.78 224.18 90 top
NOREF#636  -  []  280.88 220.37 90 top
NOREF#637  -  []  237.78 203.62 0 top
NOREF#638  -  []  399.31 263.41 0 top
NOREF#639  -  []  566.28 309.63 90 top
NOREF#640  -  []  685.63 189.9 90 top
NOREF#641  -  []  682.28 143.27 90 top
NOREF#642  -  []  284.44 279.42 90 top
NOREF#643  -  []  610.09 153.42 90 top
NOREF#644  -  []  56.39 272.12 0 top
NOREF#645  -  []  343.73 342.54 90 top
NOREF#646  -  []  404.47 267.02 0 top
NOREF#647  -  []  86.97 265.42 0 top
NOREF#648  -  []  533.66 53.55 90 top
NOREF#649  -  []  565.64 153.42 90 top
NOREF#650  -  []  513.71 428.29 90 top
NOREF#651  -  []  584.63 181.71 0 top
NOREF#652  -  []  358.83 201.77 90 top
NOREF#653  -  []  404.09 199.43 0 top
NOREF#654  -  []  347.19 46.35 0 top
NOREF#655  -  []  402.47 210.63 90 top
NOREF#656  -  []  402.47 209.83 90 top
NOREF#657  -  []  410.47 271.45 90 top
NOREF#658  -  []  622.28 278.63 0 top
NOREF#659  -  []  542.4 428.85 90 top
NOREF#660  -  []  437.4 222.34 90 top
NOREF#661  -  []  183.92 445.82 90 top
NOREF#662  -  []  528.13 203.04 0 top
NOREF#663  -  []  274.46 220.05 0 top
NOREF#664  -  []  682.28 143.27 90 top
NOREF#665  -  []  287.9 253.53 90 top
NOREF#666  -  []  489.05 434.85 90 top
NOREF#667  -  []  170.81 266.69 0 top
NOREF#668  -  []  368.69 437.44 90 top
NOREF#669  -  []  404.11 212.21 0 top
NOREF#670  -  []  284.47 206.22 0 top
NOREF#671  -  []  62.77 193.11 0 top
NOREF#672  -  []  318.78 34.54 90 top
NOREF#673  -  []  414.73 250.4 0 top
NOREF#674  -  []  403.09 290.11 90 top
NOREF#675  -  []  89.4 209.4 90 top
NOREF#676  -  []  437.4 286.41 90 top
NOREF#677  -  []  72.6 173.97 0 top
NOREF#678  -  []  285.67 269.85 90 top
NOREF#679  -  []  594.97 192.89 90 top
NOREF#680  -  []  529.78 222.56 90 top
NOREF#681  -  []  359.72 144.84 0 top
NOREF#682  -  []  86.97 263.82 0 top
NOREF#683  -  []  279.31 261.81 0 top
NOREF#684  -  []  269.26 418.84 0 top
NOREF#685  -  []  253.61 210.11 90 top
NOREF#686  -  []  408.89 263.45 90 top
NOREF#687  -  []  534.17 214.96 90 top
NOREF#688  -  []  748.4 320.81 90 top
NOREF#689  -  []  300.8 454.84 315 top
NOREF#690  -  []  624.78 285.14 0 top
NOREF#691  -  []  358.67 285.35 90 top
NOREF#692  -  []  547.22 232.05 0 top
NOREF#693  -  []  87.41 201.81 0 top
NOREF#694  -  []  405.69 205.85 90 top
NOREF#695  -  []  335.62 43.28 0 top
NOREF#696  -  []  682.83 31.37 90 top
NOREF#697  -  []  610.73 309.63 90 top
NOREF#698  -  []  408.87 199.45 90 top
NOREF#699  -  []  67.4 186.22 0 top
NOREF#700  -  []  282.79 330.54 90 top
NOREF#701  -  []  285.3 203 90 top
NOREF#702  -  []  412.11 267.43 0 top
NOREF#703  -  []  441.2 378.54 0 top
NOREF#704  -  []  593.17 263.02 0 top
NOREF#705  -  []  336.65 266.93 0 top
NOREF#706  -  []  488.58 422.36 90 top
NOREF#707  -  []  340.65 262.23 90 top
NOREF#708  -  []  390.53 378.54 0 top
NOREF#709  -  []  602.77 204.62 0 top
NOREF#710  -  []  623.58 219.93 0 top
NOREF#711  -  []  370.21 142.61 90 top
NOREF#712  -  []  280.89 212.21 0 top
NOREF#713  -  []  131.48 440.72 90 top
NOREF#714  -  []  85.81 208.23 0 top
NOREF#715  -  []  116.5 279.83 90 top
NOREF#716  -  []  595.99 265.01 0 top
NOREF#717  -  []  58.29 157.48 90 top
NOREF#718  -  []  599.99 263.43 90 top
NOREF#719  -  []  284.89 272.25 90 top
NOREF#720  -  []  358.53 203.62 0 top
NOREF#721  -  []  410.9 211.8 90 top
NOREF#722  -  []  88.19 211.41 0 top
NOREF#723  -  []  529.78 272.9 90 top
NOREF#724  -  []  682.83 178.69 90 top
NOREF#725  -  []  79.6 193.22 0 top
NOREF#726  -  []  63.36 202.31 90 top
NOREF#727  -  []  412.89 272.23 90 top
NOREF#728  -  []  282.47 269.83 90 top
NOREF#729  -  []  288.09 209.03 0 top
NOREF#730  -  []  71.92 130.38 0 top
NOREF#731  -  []  369.52 49.56 0 top
NOREF#732  -  []  104.63 154.05 90 top
NOREF#733  -  []  101.72 289.46 90 top
NOREF#734  -  []  275.11 223.88 0 top
NOREF#735  -  []  586.01 182.9 0 top
NOREF#736  -  []  600.77 207.45 90 top
NOREF#737  -  []  293.17 221.66 0 top
NOREF#738  -  []  337.67 273.68 0 top
NOREF#739  -  []  593.34 253.37 90 top
NOREF#740  -  []  139.3 49.42 90 top
NOREF#741  -  []  606.39 267.43 90 top
NOREF#742  -  []  531.98 232.05 0 top
NOREF#743  -  []  230 270.11 0 top
NOREF#744  -  []  361.71 444.8 0 top
NOREF#745  -  []  337.85 40.1 0 top
NOREF#746  -  []  176.72 287.46 0 top
NOREF#747  -  []  253.61 273.31 0 top
NOREF#748  -  []  257.77 92.61 90 top
NOREF#749  -  []  164.24 445.82 90 top
NOREF#750  -  []  278.1 199.02 90 top
NOREF#751  -  []  385.75 431.58 90 top
NOREF#752  -  []  388.15 223.37 0 top
NOREF#753  -  []  251.52 50.36 90 top
NOREF#754  -  []  603.19 210.63 0 top
NOREF#755  -  []  497.24 92.61 90 top
NOREF#756  -  []  400.89 206.65 90 top
NOREF#757  -  []  291.29 268.25 90 top
NOREF#758  -  []  293.67 267.43 90 top
NOREF#759  -  []  281.3 271 90 top
NOREF#760  -  []  273.66 34.58 90 top
NOREF#761  -  []  81.87 188.07 90 top
NOREF#762  -  []  581.81 209.48 90 top
NOREF#763  -  []  98.16 230.41 90 top
NOREF#764  -  []  285.3 263 90 top
NOREF#765  -  []  533.66 48.15 90 top
NOREF#766  -  []  407.29 269.03 90 top
NOREF#767  -  []  162.1 271.5 90 top
NOREF#768  -  []  682.28 16.9 90 top
NOREF#769  -  []  641.53 257.43 90 top
NOREF#770  -  []  411.27 210.63 90 top
NOREF#771  -  []  638.54 153.12 0 top
NOREF#772  -  []  91.39 200.23 0 top
NOREF#773  -  []  280.07 269.03 90 top
NOREF#774  -  []  599.99 264.23 0 top
NOREF#775  -  []  211.65 34.58 90 top
NOREF#776  -  []  119.57 322.4 90 top
NOREF#777  -  []  124.85 186.22 90 top
NOREF#778  -  []  190.56 177.16 90 top
NOREF#779  -  []  600.56 182.01 90 top
NOREF#780  -  []  103.75 229.46 90 top
NOREF#781  -  []  202.41 216.36 0 top
NOREF#782  -  []  362.01 433.78 90 top
NOREF#783  -  []  66.57 186.05 90 top
NOREF#784  -  []  328.31 444.8 90 top
NOREF#785  -  []  84.62 153.24 0 top
NOREF#786  -  []  193.95 443.92 0 top
NOREF#787  -  []  288.07 258.65 90 top
NOREF#788  -  []  278.85 224.18 90 top
NOREF#789  -  []  60.63 192.62 90 top
NOREF#790  -  []  286.49 264.23 0 top
NOREF#791  -  []  97.01 229.44 90 top
NOREF#792  -  []  673.94 187.58 90 top
NOREF#793  -  []  599.19 268.23 0 top
NOREF#794  -  []  66.57 251.26 90 top
NOREF#795  -  []  91.39 260.23 0 top
NOREF#796  -  []  284.09 209.03 0 top
NOREF#797  -  []  569.95 450.48 90 top
NOREF#798  -  []  284.11 265.83 0 top
NOREF#799  -  []  574.64 251.95 90 top
NOREF#800  -  []  78.27 127.18 90 top
NOREF#801  -  []  597.59 203.43 90 top
NOREF#802  -  []  345.83 444.8 0 top
NOREF#803  -  []  11.29 288.93 0 top
NOREF#804  -  []  575.12 211.18 90 top
NOREF#805  -  []  290.9 203.8 90 top
NOREF#806  -  []  292.09 271.41 0 top
NOREF#807  -  []  79.6 193.22 90 top
NOREF#808  -  []  34.34 277.77 90 top
NOREF#809  -  []  284.91 209.81 0 top
NOREF#810  -  []  280.89 270.61 0 top
NOREF#811  -  []  288.09 211.43 90 top
NOREF#812  -  []  600.79 263.43 90 top
NOREF#813  -  []  242.71 269.57 90 top
NOREF#814  -  []  63.07 193.36 0 top
NOREF#815  -  []  514.03 266.69 90 top
NOREF#816  -  []  503.67 231.97 0 top
NOREF#817  -  []  97.37 203.82 0 top
NOREF#818  -  []  4.26 337.82 90 top
NOREF#819  -  []  402.07 206.22 0 top
NOREF#820  -  []  92.57 127.64 90 top
NOREF#821  -  []  285.69 261.03 90 top
NOREF#822  -  []  404.11 205.83 0 top
NOREF#823  -  []  314.68 214.83 0 top
NOREF#824  -  []  248.78 417.96 90 top
NOREF#825  -  []  250.33 265.66 90 top
NOREF#826  -  []  112.6 228.22 0 top
NOREF#827  -  []  317.92 50.16 0 top
NOREF#828  -  []  554.62 422.8 90 top
NOREF#829  -  []  88.19 204.21 0 top
NOREF#830  -  []  290.07 209.42 0 top
NOREF#831  -  []  283.67 268.62 0 top
NOREF#832  -  []  601.17 204.62 0 top
NOREF#833  -  []  336.31 40.37 0 top
NOREF#834  -  []  295.15 44.59 90 top
NOREF#835  -  []  89.79 268.21 0 top
NOREF#836  -  []  282.49 267.45 90 top
NOREF#837  -  []  257.83 21.92 0 top
NOREF#838  -  []  457.54 435.84 0 top
NOREF#839  -  []  117.8 186.22 90 top
NOREF#840  -  []  48.42 422.73 90 top
NOREF#841  -  []  597.57 204.23 90 top
NOREF#842  -  []  450.3 165.22 90 top
NOREF#843  -  []  72.88 154.05 90 top
NOREF#844  -  []  436.2 285.03 0 top
NOREF#845  -  []  98.17 206.22 0 top
NOREF#846  -  []  221.42 428.64 90 top
NOREF#847  -  []  358.83 263.37 0 top
NOREF#848  -  []  169.62 416.38 0 top
NOREF#849  -  []  284.5 269.39 90 top
NOREF#850  -  []  603.61 309.88 0 top
NOREF#851  -  []  569.32 160.02 90 top
NOREF#852  -  []  98.16 289.19 90 top
NOREF#853  -  []  97.37 200.62 0 top
NOREF#854  -  []  314.46 30.1 90 top
NOREF#855  -  []  245.04 263.71 90 top
NOREF#856  -  []  406.49 259.43 0 top
NOREF#857  -  []  294.2 277.29 90 top
NOREF#858  -  []  171.86 281.41 90 top
NOREF#859  -  []  285.3 259.79 90 top
NOREF#860  -  []  158.52 445.82 0 top
NOREF#861  -  []  415.4 27.63 90 top
NOREF#862  -  []  86.59 209.81 0 top
NOREF#863  -  []  400.09 208.25 90 top
NOREF#864  -  []  106.29 230.41 90 top
NOREF#865  -  []  99.37 205.83 90 top
NOREF#866  -  []  405.11 194.75 0 top
NOREF#867  -  []  603.57 263.82 0 top
NOREF#868  -  []  627.76 256.98 0 top
NOREF#869  -  []  166.96 265.29 0 top
NOREF#870  -  []  290.47 271.45 90 top
NOREF#871  -  []  599.6 264.6 90 top
NOREF#872  -  []  330.54 59.16 0 top
NOREF#873  -  []  94.97 206.22 0 top
NOREF#874  -  []  155.74 456.3 0 top
NOREF#875  -  []  81.47 343.36 90 top
NOREF#876  -  []  107.82 289.46 90 top
NOREF#877  -  []  636.29 368.87 0 top
NOREF#878  -  []  113.2 197.88 90 top
NOREF#879  -  []  16.65 183.77 90 top
NOREF#880  -  []  593.59 202.61 0 top
NOREF#881  -  []  108.43 196.21 90 top
NOREF#882  -  []  512.44 426.39 90 top
NOREF#883  -  []  582.4 265.96 90 top
NOREF#884  -  []  597.26 247.58 90 top
NOREF#885  -  []  285.27 210.22 0 top
NOREF#886  -  []  413.1 281.84 0 top
NOREF#887  -  []  426.57 422.36 90 top
NOREF#888  -  []  624.78 279.93 0 top
NOREF#889  -  []  235.3 302.22 0 top
NOREF#890  -  []  536 186.22 90 top
NOREF#891  -  []  324.89 209.78 0 top
NOREF#892  -  []  283.29 205.81 0 top
NOREF#893  -  []  604.4 204.6 90 top
NOREF#894  -  []  404.3 39.73 90 top
NOREF#895  -  []  273.06 250.84 90 top
NOREF#896  -  []  186.57 272.9 0 top
NOREF#897  -  []  404.11 266.63 0 top
NOREF#898  -  []  287.31 273.01 0 top
NOREF#899  -  []  434.28 28.72 0 top
NOREF#900  -  []  584.69 157.23 0 top
NOREF#901  -  []  683.79 115.19 0 top
NOREF#902  -  []  164.24 427.41 0 top
NOREF#903  -  []  603.99 267.41 0 top
NOREF#904  -  []  285.69 265.05 90 top
NOREF#905  -  []  99.41 209.03 90 top
NOREF#906  -  []  592.37 264.62 0 top
NOREF#907  -  []  456.11 34.58 90 top
NOREF#908  -  []  75.45 249.07 90 top
NOREF#909  -  []  578.98 159.77 90 top
NOREF#910  -  []  403.27 258.65 90 top
NOREF#911  -  []  90.57 269.85 90 top
NOREF#912  -  []  171.86 53.34 90 top
NOREF#913  -  []  514.03 216.36 90 top
NOREF#914  -  []  293.1 39.2 90 top
NOREF#915  -  []  142.33 215.1 90 top
NOREF#916  -  []  127.36 164.08 0 top
NOREF#917  -  []  251.87 436.45 0 top
NOREF#918  -  []  85.97 229.19 90 top
NOREF#919  -  []  60.63 186.01 90 top
NOREF#920  -  []  400.5 42.53 0 top
NOREF#921  -  []  88.19 202.61 0 top
NOREF#922  -  []  602.41 269.03 0 top
NOREF#923  -  []  364.85 27.61 0 top
NOREF#924  -  []  611.36 136.27 90 top
NOREF#925  -  []  517.23 276.1 0 top
NOREF#926  -  []  392.13 203.55 90 top
NOREF#927  -  []  572.8 414.93 90 top
NOREF#928  -  []  349.26 17.6 90 top
NOREF#929  -  []  56.94 271.67 0 top
NOREF#930  -  []  437.41 221.69 90 top
NOREF#931  -  []  599.6 199.8 90 top
NOREF#932  -  []  280.55 283.86 0 top
NOREF#933  -  []  568.05 49.32 0 top
NOREF#934  -  []  403.29 201.03 90 top
NOREF#935  -  []  11.29 288.93 0 top
NOREF#936  -  []  284.89 269.03 0 top
NOREF#937  -  []  596.17 241.7 0 top
NOREF#938  -  []  403.29 204.23 90 top
NOREF#939  -  []  407.7 271.79 90 top
NOREF#940  -  []  232.7 183.68 90 top
NOREF#941  -  []  477.59 44.59 90 top
NOREF#942  -  []  362.76 214.71 0 top
NOREF#943  -  []  404.11 265.83 0 top
NOREF#944  -  []  336.65 232.64 0 top
NOREF#945  -  []  602.39 265.85 90 top
NOREF#946  -  []  436.51 220.64 0 top
NOREF#947  -  []  670.26 223.53 90 top
NOREF#948  -  []  594.77 263.02 0 top
NOREF#949  -  []  645.9 391.01 90 top
NOREF#950  -  []  274.46 280.05 0 top
NOREF#951  -  []  404.11 207.43 0 top
NOREF#952  -  []  629.25 368.87 0 top
NOREF#953  -  []  403.31 208.23 0 top
NOREF#954  -  []  516.3 167.22 90 top
NOREF#955  -  []  288.47 211.02 0 top
NOREF#956  -  []  142.81 207.03 90 top
NOREF#957  -  []  284.09 210.63 0 top
NOREF#958  -  []  580.88 310.77 90 top
NOREF#959  -  []  89.77 264.23 90 top
NOREF#960  -  []  11.29 219.07 0 top
NOREF#961  -  []  498.27 228.77 90 top
NOREF#962  -  []  536.05 428.85 90 top
NOREF#963  -  []  192.52 50.36 0 top
NOREF#964  -  []  458.21 40.33 0 top
NOREF#965  -  []  574.97 191.05 90 top
NOREF#966  -  []  338.32 227.96 0 top
NOREF#967  -  []  349.51 442.9 90 top
NOREF#968  -  []  3.19 17.91 90 top
NOREF#969  -  []  113.22 325.6 0 top
NOREF#970  -  []  317 417.96 90 top
NOREF#971  -  []  592.81 262.63 0 top
NOREF#972  -  []  180.86 49.56 0 top
NOREF#973  -  []  539.03 196.69 90 top
NOREF#974  -  []  491.74 454.91 90 top
NOREF#975  -  []  53.39 367.32 90 top
NOREF#976  -  []  72.02 203.32 90 top
NOREF#977  -  []  291.29 267.45 90 top
NOREF#978  -  []  89.01 206.63 0 top
NOREF#979  -  []  15.31 16.65 90 top
NOREF#980  -  []  169.95 445.82 90 top
NOREF#981  -  []  286.07 212.62 0 top
NOREF#982  -  []  286.47 283.23 90 top
NOREF#983  -  []  599.6 211 90 top
NOREF#984  -  []  503.18 233.37 0 top
NOREF#985  -  []  601.59 265.81 0 top
NOREF#986  -  []  287.29 263.43 90 top
NOREF#987  -  []  593.59 207.41 0 top
NOREF#988  -  []  598.37 271.43 90 top
NOREF#989  -  []  594 198.2 90 top
NOREF#990  -  []  580.58 322.4 90 top
NOREF#991  -  []  98.59 272.23 90 top
NOREF#992  -  []  286.49 204.23 0 top
NOREF#993  -  []  413.69 261.05 90 top
NOREF#994  -  []  433.97 53.56 90 top
NOREF#995  -  []  59.69 368.97 90 top
NOREF#996  -  []  500.03 177.16 90 top
NOREF#997  -  []  578.98 149.86 90 top
NOREF#998  -  []  224.25 429.34 90 top
NOREF#999  -  []  591.04 157.23 0 top
NOREF#1000  -  []  285.3 261.39 90 top
NOREF#1001  -  []  91.41 208.21 0 top
NOREF#1002  -  []  366.3 273.11 90 top
NOREF#1003  -  []  426.57 425.56 0 top
NOREF#1004  -  []  89.77 201.83 90 top
NOREF#1005  -  []  87.8 260.59 90 top
NOREF#1006  -  []  279.17 280.07 0 top
NOREF#1007  -  []  180.15 214.96 90 top
NOREF#1008  -  []  86.61 205.83 0 top
NOREF#1009  -  []  398.49 269.81 0 top
NOREF#1010  -  []  704.31 220.6 90 top
NOREF#1011  -  []  330.54 55.96 90 top
NOREF#1012  -  []  7.39 245.12 0 top
NOREF#1013  -  []  8.06 429.93 0 top
NOREF#1014  -  []  101.96 160.02 90 top
NOREF#1015  -  []  603.99 260.25 90 top
NOREF#1016  -  []  52.31 271.77 90 top
NOREF#1017  -  []  433.97 55.76 90 top
NOREF#1018  -  []  93.4 205.39 90 top
NOREF#1019  -  []  466.22 378.54 0 top
NOREF#1020  -  []  408.47 208.62 0 top
NOREF#1021  -  []  289.67 208.25 90 top
NOREF#1022  -  []  88.17 269.03 90 top
NOREF#1023  -  []  285.3 211 90 top
NOREF#1024  -  []  336.67 251.82 90 top
NOREF#1025  -  []  91.62 219.97 90 top
NOREF#1026  -  []  603.99 266.65 90 top
NOREF#1027  -  []  592.37 211.82 0 top
NOREF#1028  -  []  501.47 231.97 0 top
NOREF#1029  -  []  288.09 201.03 0 top
NOREF#1030  -  []  586.01 241.7 90 top
NOREF#1031  -  []  8.31 175.65 90 top
NOREF#1032  -  []  387.8 436.97 90 top
NOREF#1033  -  []  593.58 310.77 90 top
NOREF#1034  -  []  276.79 144.61 0 top
NOREF#1035  -  []  288.47 270.22 0 top
NOREF#1036  -  []  292.09 261.81 0 top
NOREF#1037  -  []  294.5 217.54 90 top
NOREF#1038  -  []  440.01 280.96 0 top
NOREF#1039  -  []  211.55 423.14 0 top
NOREF#1040  -  []  593.17 266.22 0 top
NOREF#1041  -  []  669.23 31.15 0 top
NOREF#1042  -  []  599.19 206.63 90 top
NOREF#1043  -  []  280.88 224.18 90 top
NOREF#1044  -  []  524.11 48.15 0 top
NOREF#1045  -  []  92.07 230.41 90 top
NOREF#1046  -  []  89.79 259.43 0 top
NOREF#1047  -  []  584.63 255.55 0 top
NOREF#1048  -  []  400.72 47.53 90 top
NOREF#1049  -  []  393.03 273.53 90 top
NOREF#1050  -  []  402.49 261.83 0 top
NOREF#1051  -  []  251.52 55.76 90 top
NOREF#1052  -  []  14.11 185.04 0 top
NOREF#1053  -  []  -27.99 85.48 0 top
NOREF#1054  -  []  100.2 229.19 90 top
NOREF#1055  -  []  628.81 201.37 0 top
NOREF#1056  -  []  288.89 201.03 0 top
NOREF#1057  -  []  286.47 268.25 90 top
NOREF#1058  -  []  357.05 208.71 90 top
NOREF#1059  -  []  246.53 273.53 0 top
NOREF#1060  -  []  98.92 159.77 90 top
NOREF#1061  -  []  618 181.02 90 top
NOREF#1062  -  []  89.81 210.61 0 top
NOREF#1063  -  []  410.9 202.2 90 top
NOREF#1064  -  []  602 262.2 90 top
NOREF#1065  -  []  320.38 40.08 90 top
NOREF#1066  -  []  447.2 92.61 90 top
NOREF#1067  -  []  601.59 205.81 0 top
NOREF#1068  -  []  631.5 165.83 0 top
NOREF#1069  -  []  417.25 59.33 315 top
NOREF#1070  -  []  406.1 204.6 90 top
NOREF#1071  -  []  353.03 46.1 90 top
NOREF#1072  -  []  517.23 219.56 0 top
NOREF#1073  -  []  280.89 204.23 90 top
NOREF#1074  -  []  240.57 272.59 90 top
NOREF#1075  -  []  627.76 201.62 0 top
NOREF#1076  -  []  85.4 264.6 90 top
NOREF#1077  -  []  571.03 152.6 0 top
NOREF#1078  -  []  105.96 276.84 0 top
NOREF#1079  -  []  284.09 199.43 0 top
NOREF#1080  -  []  604.3 182.9 0 top
NOREF#1081  -  []  287.86 435.24 90 top
NOREF#1082  -  []  52.64 373.37 90 top
NOREF#1083  -  []  193.62 271.5 90 top
NOREF#1084  -  []  561.83 310.77 90 top
NOREF#1085  -  []  105.97 230.09 0 top
NOREF#1086  -  []  604.37 274.22 0 top
NOREF#1087  -  []  282.47 198.65 90 top
NOREF#1088  -  []  85.37 258.22 0 top
NOREF#1089  -  []  72.6 224.37 0 top
NOREF#1090  -  []  86.98 312.42 90 top
NOREF#1091  -  []  358.37 36.88 90 top
NOREF#1092  -  []  62.77 253.11 0 top
NOREF#1093  -  []  258.26 32.38 90 top
NOREF#1094  -  []  349.55 58.88 90 top
NOREF#1095  -  []  52.64 146.41 90 top
NOREF#1096  -  []  397.21 439.19 0 top
NOREF#1097  -  []  413.67 201.03 90 top
NOREF#1098  -  []  670.26 224.48 0 top
NOREF#1099  -  []  20.34 213.67 0 top
NOREF#1100  -  []  90.59 201.83 0 top
NOREF#1101  -  []  287.67 267.02 0 top
NOREF#1102  -  []  13.87 392.63 0 top
NOREF#1103  -  []  476.12 44.59 90 top
NOREF#1104  -  []  590.91 309.88 0 top
NOREF#1105  -  []  606.28 310.77 90 top
NOREF#1106  -  []  414.11 44.59 90 top
NOREF#1107  -  []  244.78 264.62 0 top
NOREF#1108  -  []  283.29 264.23 90 top
NOREF#1109  -  []  41.3 480.32 90 top
NOREF#1110  -  []  93.79 203.43 90 top
NOREF#1111  -  []  194.25 228.77 90 top
NOREF#1112  -  []  592.79 266.65 90 top
NOREF#1113  -  []  402.97 192.32 90 top
NOREF#1114  -  []  96.99 259.45 90 top
NOREF#1115  -  []  512.44 445.44 90 top
NOREF#1116  -  []  131.55 47.77 90 top
NOREF#1117  -  []  592.75 241.71 90 top
NOREF#1118  -  []  165.51 420.04 90 top
NOREF#1119  -  []  282.91 222.96 90 top
NOREF#1120  -  []  259.76 21.33 90 top
NOREF#1121  -  []  106.29 290.41 90 top
NOREF#1122  -  []  409.67 208.25 90 top
NOREF#1123  -  []  272.3 279.22 0 top
NOREF#1124  -  []  595.99 266.61 0 top
NOREF#1125  -  []  393.06 190.84 90 top
NOREF#1126  -  []  684.26 288.57 90 top
NOREF#1127  -  []  441.22 285.76 90 top
NOREF#1128  -  []  326.57 193.67 0 top
NOREF#1129  -  []  89.79 266.63 90 top
NOREF#1130  -  []  329.22 262.23 90 top
NOREF#1131  -  []  117.15 219.84 90 top
NOREF#1132  -  []  284.11 206.63 0 top
NOREF#1133  -  []  601.59 266.61 0 top
NOREF#1134  -  []  79.23 131.19 90 top
NOREF#1135  -  []  562.97 164.08 0 top
NOREF#1136  -  []  328.89 205.08 90 top
NOREF#1137  -  []  400.43 436.44 0 top
NOREF#1138  -  []  375.04 446.71 90 top
NOREF#1139  -  []  88.99 212.23 90 top
NOREF#1140  -  []  318.78 27.31 90 top
NOREF#1141  -  []  598.2 182.9 0 top
NOREF#1142  -  []  -2.69 36.65 0 top
NOREF#1143  -  []  412.09 271.41 0 top
NOREF#1144  -  []  187.07 49.56 0 top
NOREF#1145  -  []  685.63 63.54 90 top
NOREF#1146  -  []  71.92 127.18 90 top
NOREF#1147  -  []  367.28 205.92 0 top
NOREF#1148  -  []  180.15 227.37 90 top
NOREF#1149  -  []  590.72 241.71 0 top
NOREF#1150  -  []  407.89 277.54 90 top
NOREF#1151  -  []  239.73 263.62 0 top
NOREF#1152  -  []  603.17 212.25 90 top
NOREF#1153  -  []  87.5 289.46 90 top
NOREF#1154  -  []  399.7 200.59 90 top
NOREF#1155  -  []  20.34 232.72 0 top
NOREF#1156  -  []  351.65 231.08 0 top
NOREF#1157  -  []  410.49 261.03 90 top
NOREF#1158  -  []  69.07 314.58 0 top
NOREF#1159  -  []  601.57 263.45 90 top
NOREF#1160  -  []  556.62 160.02 90 top
NOREF#1161  -  []  606.39 207.43 90 top
NOREF#1162  -  []  408.09 209.03 0 top
NOREF#1163  -  []  517.83 434.42 0 top
NOREF#1164  -  []  202.81 286.06 0 top
NOREF#1165  -  []  32.29 279.4 0 top
NOREF#1166  -  []  92.17 263.45 90 top
NOREF#1167  -  []  78.61 202.82 0 top
NOREF#1168  -  []  407.67 264.62 0 top
NOREF#1169  -  []  242.87 49.56 0 top
NOREF#1170  -  []  679.31 258.4 90 top
NOREF#1171  -  []  599.19 264.23 0 top
NOREF#1172  -  []  245.04 209.94 90 top
NOREF#1173  -  []  349.51 442.9 0 top
NOREF#1174  -  []  570.3 450.93 90 top
NOREF#1175  -  []  347.95 46.1 90 top
NOREF#1176  -  []  597.57 205.83 90 top
NOREF#1177  -  []  285.3 271 90 top
NOREF#1178  -  []  126.81 27.55 0 top
NOREF#1179  -  []  604.37 263.02 0 top
NOREF#1180  -  []  603.6 271 90 top
NOREF#1181  -  []  90.59 198.63 90 top
NOREF#1182  -  []  603.17 205.03 90 top
NOREF#1183  -  []  498.27 269.89 0 top
NOREF#1184  -  []  528.13 230.65 0 top
NOREF#1185  -  []  210.91 431.58 90 top
NOREF#1186  -  []  94.57 264.25 90 top
NOREF#1187  -  []  284.09 270.63 0 top
NOREF#1188  -  []  604.02 19.99 0 top
NOREF#1189  -  []  575.29 193.16 0 top
NOREF#1190  -  []  88.57 208.62 0 top
NOREF#1191  -  []  286.51 204.21 0 top
NOREF#1192  -  []  411.7 271.79 90 top
NOREF#1193  -  []  287.31 207.43 0 top
NOREF#1194  -  []  590.8 213.42 0 top
NOREF#1195  -  []  61.94 269.82 90 top
NOREF#1196  -  []  412.95 218.14 0 top
NOREF#1197  -  []  81.87 248.07 90 top
NOREF#1198  -  []  11.29 238.12 0 top
NOREF#1199  -  []  505.58 443.1 0 top
NOREF#1200  -  []  248.78 420.16 90 top
NOREF#1201  -  []  95.26 248.97 90 top
NOREF#1202  -  []  236.58 229.54 0 top
NOREF#1203  -  []  593.59 269.81 0 top
NOREF#1204  -  []  406.51 264.21 0 top
NOREF#1205  -  []  296.45 263.55 90 top
NOREF#1206  -  []  319.44 52.71 90 top
NOREF#1207  -  []  164.24 427.41 90 top
NOREF#1208  -  []  238.79 454.84 315 top
NOREF#1209  -  []  147.51 430.7 90 top
NOREF#1210  -  []  287.7 271.79 90 top
NOREF#1211  -  []  494.24 28.57 90 top
NOREF#1212  -  []  282.49 210.63 0 top
NOREF#1213  -  []  289.71 269.03 0 top
NOREF#1214  -  []  176.3 25.07 0 top
NOREF#1215  -  []  112.07 261.26 90 top
NOREF#1216  -  []  282.59 283.86 0 top
NOREF#1217  -  []  284.89 209.03 0 top
NOREF#1218  -  []  96.99 213.03 0 top
NOREF#1219  -  []  603.17 261.05 90 top
NOREF#1220  -  []  599.21 212.21 0 top
NOREF#1221  -  []  397.3 272.6 90 top
NOREF#1222  -  []  517.83 415.37 90 top
NOREF#1223  -  []  107.54 216.08 90 top
NOREF#1224  -  []  607.48 275.62 0 top
NOREF#1225  -  []  487.42 220.96 0 top
NOREF#1226  -  []  86.97 205.42 0 top
NOREF#1227  -  []  591.04 153.42 90 top
NOREF#1228  -  []  585 219.22 0 top
NOREF#1229  -  []  600.4 266.99 90 top
NOREF#1230  -  []  155.05 272.9 0 top
NOREF#1231  -  []  287.6 277.29 90 top
NOREF#1232  -  []  169.62 434.8 0 top
NOREF#1233  -  []  112.6 288.22 0 top
NOREF#1234  -  []  137.98 230.84 90 top
NOREF#1235  -  []  246.23 265.66 0 top
NOREF#1236  -  []  143.38 240.39 0 top
NOREF#1237  -  []  406.49 264.23 0 top
NOREF#1238  -  []  376.81 206.2 0 top
NOREF#1239  -  []  606.98 181.71 0 top
NOREF#1240  -  []  409.3 260.59 90 top
NOREF#1241  -  []  286.1 208.6 90 top
NOREF#1242  -  []  380.2 21.33 90 top
NOREF#1243  -  []  437.4 224.38 90 top
NOREF#1244  -  []  189.51 53.56 90 top
NOREF#1245  -  []  442.07 416.31 90 top
NOREF#1246  -  []  86.59 198.63 0 top
NOREF#1247  -  []  293.67 210.63 90 top
NOREF#1248  -  []  123.79 43.58 0 top
